# Altium PCB MARLIN.PcbDoc (part 2 of 3)
Units mil, origin at the board's own origin, x right, y up, seen from the top; angles counter-clockwise.
Board outline 6825 x 4695 mil, 2 copper layers (Top Layer, Bottom Layer); 246 components, 209 nets, 796 pads, 202 vias.
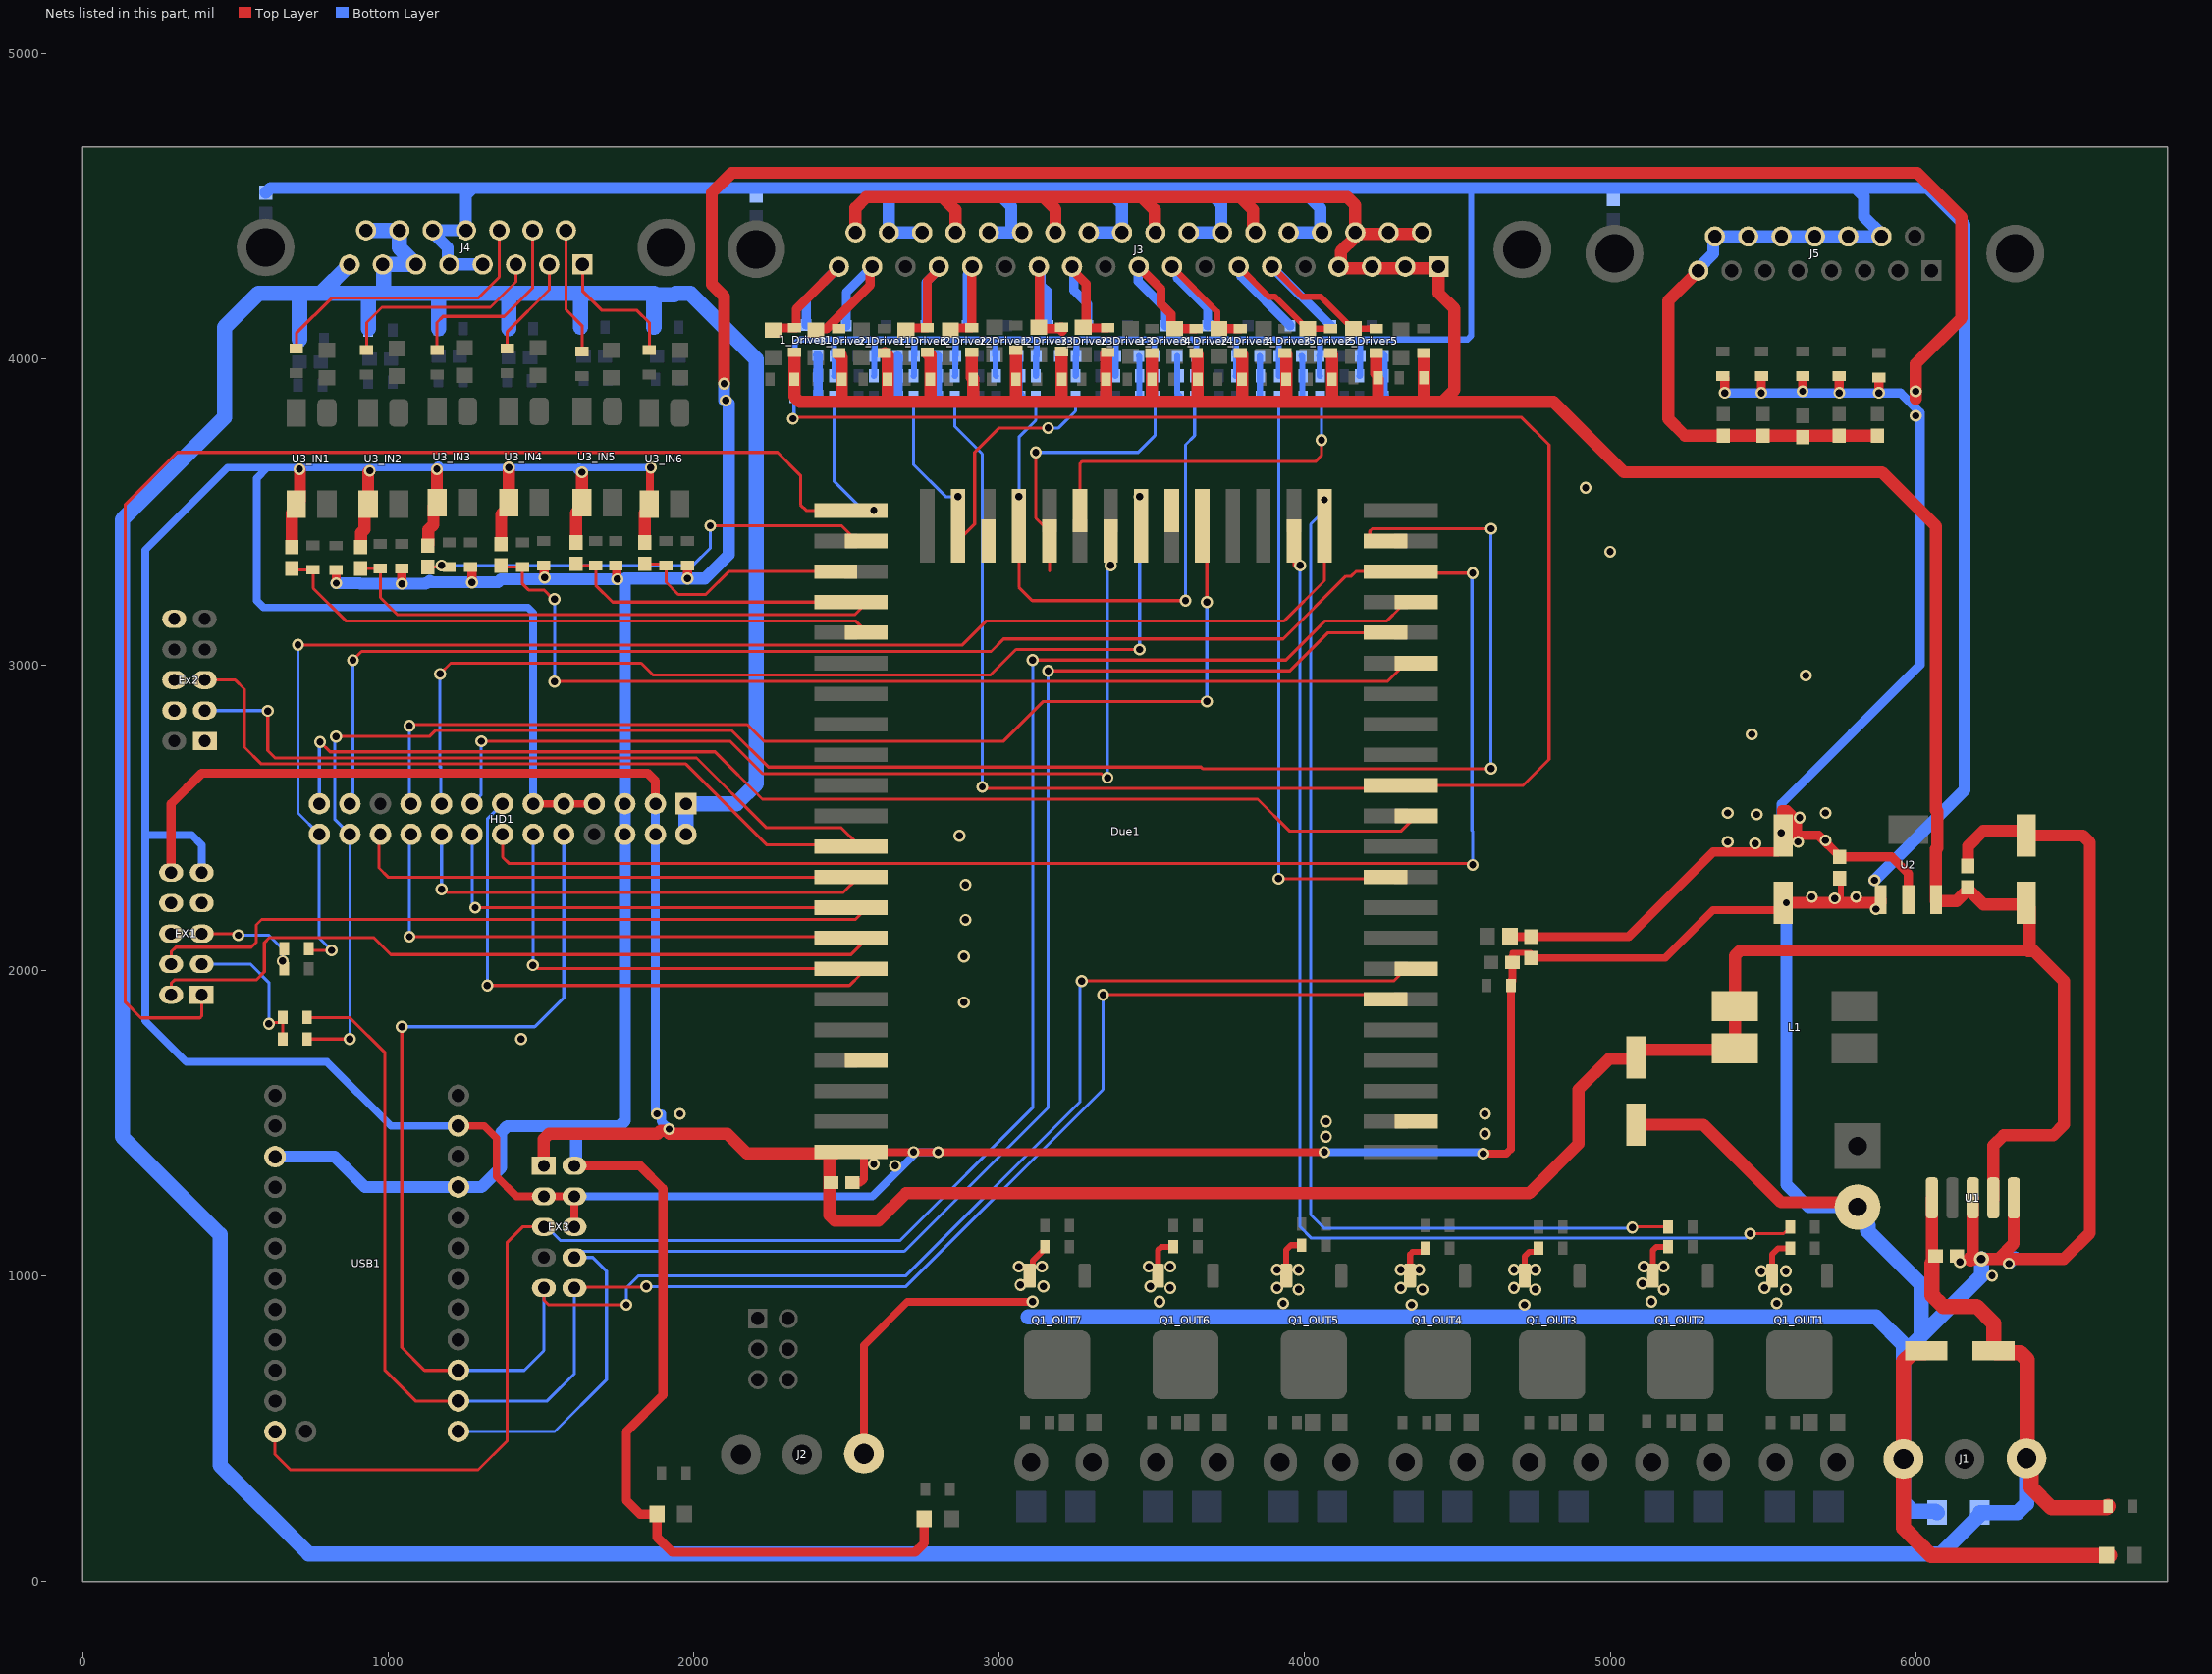
[diagram p2: the nets of this part, all layers, seen from the top]

## Part data
1_Driver1 1_Driver2 1_Driver3 1_Driver4 1_Driver5 2_Driver1 2_Driver2 2_Driver3 2_Driver4 2_Driver5 3_Driver1 3_Driver2 3_Driver3 3_Driver4 3_Driver5: "N-Channel 50V 220mA _Ta_ 360mW _Ta_ Surface Mount Die", Package="TO-236-3 Micross", Availability=Unavailable, MF="MICROSS/On Semiconductor", MP=BSS138, Price=None, SnapEDA_Link=https://www.snapeda.com/parts/BSS138/MICROSS/On%20Semiconductor/view-part/2773844/?ref=snap
C1: "WR-PHD 2.54 mm Dual Socket Header", Manufacturer="W¨¹rth Elektronik eiSos GmbH", partNo=61300621821, ComponentLink1 Description=Manufacturer, ComponentLink1URL=http://www.we-online.com, ComponentLink2 Description=Datasheet, ComponentLink2URL=http://katalog.we-online.de/em/datasheet/6130xx21821.pdf, Created by="Karrer Zheng", Created Date="29 March 2013", NoPins=06
C2 C3 C5 C11: library part CN-ALU-SMD, "Polarized Capacitor (Axial)", LatestRevisionDate=17-Jul-2002, LatestRevisionNote="Re-released for DXP Platform.", PackageReference=POLAR0.8, Published=8-Jun-2000, Publisher="Altium Limited"
C12 C14 C18 C19 C20 C21 C22: library part CN
D1 D3_OUT1 D3_OUT2 D3_OUT3 D3_OUT4 D3_OUT5 D3_OUT6 D3_OUT7: "Default Diode", Code - JEDEC=DO-214-AB, ComponentLink1Description="ES1J - STMBL", ComponentLink1URL=https://banlinhkien.vn/goods-8089-es1j-do214-diode-1a-600v-sma-es1j-.html, Published=8-Jun-2000, Publisher="Altium Limited", Revision="July-2002: Re-released for DXP Platform."
D2: library part D5A, "Diode 5A"
EX1 Ex2 EX3: library part HED5x2
HD1: "IDC 13x2"
J1 J2: Manufacturer="Würth Elektronik eiSos GmbH", partNo=691103110003, ComponentLink1 Description=Manufacturer, ComponentLink1URL=http://www.we-online.com, ComponentLink2 Description=Datasheet, ComponentLink2URL=http://katalog.we-online.de/em/datasheet/6911031100xx.pdf, Created by="Karrer Zheng", Created Date="29 October 2013", NoPins=3
J4 J5: library part DB15, "Receptacle Assembly, 15 Position, Right Angle", PackageDocument=O, DatasheetDocument=1-Sep-99, Gender=Receptacle, LatestRevisionDate=17-Jul-2002, LatestRevisionNote="Re-released for DXP Platform.", Orientation="Right Angle", PackageReference=788757, Positions=15, Published=15-Jun-2001, Publisher="Altium Limited"
J6_OUT1 J6_OUT2 J6_OUT3 J6_OUT4 J6_OUT5 J6_OUT6 J6_OUT7: Manufacturer="Würth Elektronik eiSos GmbH", partNo=691103110002, ComponentLink1 Description=Manufacturer, ComponentLink1URL=http://www.we-online.com, ComponentLink2 Description=Datasheet, ComponentLink2URL=http://katalog.we-online.de/em/datasheet/6911031100xx.pdf, Created by="Karrer Zheng", Created Date="29 October 2013", NoPins=2
L1: library part L-SMD-2, Manufacturer="Würth Elektronik eiSos GmbH", partNo=7448709022, ComponentLink1Description=Manufacturer, ComponentLink1URL=http://www.we-online.de, ComponentLink2Description=Datasheet, ComponentLink2URL=http://katalog.we-online.de/pbs/datasheet/7448709022.pdf, ComponentLink3Description=THEGIOIIC, ComponentLink3URL=https://www.thegioiic.com/products/cuon-cam-33uh-rh127-smd-12x12x7, Created by="Christin Otto", Created Date="August 2013", Inductance="2.20 µH"
LED1_Driver1 LED1_Driver2 LED1_Driver3 LED1_Driver4 LED1_Driver5 LED2 LED3 LED4_OUT1 LED4_OUT2 LED4_OUT3 LED4_OUT4 LED4_OUT5 LED4_OUT6 LED4_OUT7 LED5_IN1 LED5_IN2 LED5_IN3 LED5_IN4 LED5_IN5 LED5_IN6 LED7 LED8_Driver1 LED8_Driver2 LED8_Driver3 LED8_Driver4 LED8_Driver5 LED9_Driver1 LED9_Driver2 LED9_Driver3 LED9_Driver4 LED9_Driver5: library part "LED SMD"
Q1_OUT1 Q1_OUT2 Q1_OUT3 Q1_OUT4 Q1_OUT5 Q1_OUT6 Q1_OUT7: library part FET_N, "IPD079N06L3 - TO-252-3", Category=Transistor-FET, Mounting Technology="Surface Mount", Status=Unreleased, Transistor Type=NPN
R4 R5 R6 R7 R8 R17_IN1 R17_IN2 R17_IN3 R17_IN4 R17_IN5 R17_IN6 R18_IN1 R18_IN2 R18_IN3 R18_IN4 R18_IN5 R18_IN6 R21_IN1 R21_IN2 R21_IN3 R21_IN4 R21_IN5 R21_IN6: library part R
U1: Max Input Voltage="12 V", Max Output Current="3 (6.0 peak) A", Max Output Voltage=mV, Temperature Range="-40 to +125 degC", Category=IC-Power, ComponentLink1Description=MUA, ComponentLink1URL=https://www.thegioiic.com/products/lm2596s-5-0, Min Input Voltage=mV, Min Output Voltage=mV, Mounting Technology="Surface Mount", Status=Unreleased, Supply Voltage=mV
U2: library part LM1117, "800mA Low-Dropout Linear Regulator", Creator="Nguyen Ba Bien", Website=http://group3i.net
U3_IN1 U3_IN2 U3_IN3 U3_IN4 U3_IN5 U3_IN6: "Single Opto"
USB1: library part USB_Shield_MAX3421E
Due1: ComponentLink1Description=Buy, ComponentLink1URL=http://www.inhaos.com/product_info.php?products_id=164

## Via types
v1: diameter 39.37, hole 23.62, Top Layer to Bottom Layer, 197 vias
v2: diameter 236.22, hole 157.48, Top Layer to Bottom Layer, tented both sides, 4 vias
v3: diameter 50, hole 28, Top Layer to Bottom Layer, 1 vias

## Nets (pads, with @x,y where several pads share a name; then routed paths per layer and width w, separated by ;. In a path a pad name is that pad's centre, name@x,y a point inside that pad or via, vN(x,y) a via of type N, cw(c..) or ccw(c..) an arc to the next point about the centre after c; other vN are vias at no path point)
3.3V: C4.2 C5.1 C8.2 EX3.2 FB1.1 HD1.5 HD1.6 LED2.1 LED3.1 R4.1 R5.1 R6.1 R7.1 R8.1 R17_IN1.1 R17_IN2.1 R17_IN3.1 R17_IN4.1 R17_IN5.1 R17_IN6.1 U2.2 USB1.9 USB1.26 | length 17816.7
  Top Layer w30: R17_IN1.1@830,3310 830.31,3309.69 830.31,3267.43 v1(830.61,3267.12) ; v1(1045,3265) R17_IN2.1@1045,3315 ; R17_IN3.1@1270,3320 1275,3315 v1(1275,3269.47) ; R17_IN4.1@1510,3325 1510.42,3325 1511.17,3324.25 1511.17,3286.17 v1(1512.34,3285) ; EX3.2@1610,1360 1825,1360 1900,1285 1900,610 1780,490 1780,265 1825,220 LED3.1@1880,220 1880,145 1930,95 2725,95 2755,125 LED2.1@2755,205 ; R17_IN5.1@1745,3325 1747.46,3325 1748.21,3324.25 1748.21,3281.79 v1(1750,3280) ; v1(1980,3281.8) R17_IN6.1@1980,3325 ; FB1.1@4668.7,2118.7 4668.7,2113.7 FB1.1@4672.4,2110 C4.2@4740,2110 5060,2110 5337.44,2387.44 5549.7,2387.44 5566.2,2403.94 C5.1@5566.2,2441.34 5682.93,2441.34 5751.2,2373.07 C8.2@5751.2,2371.1 5921.2,2371.1 5976.2,2316.1 U2.2@5976.2,2231.93 ; R8.1@5369.47,3945 5375,3939.47 v1(5375,3890) ; v1(5495,3890) R7.1@5495,3945 ; v1(5630,3895) R6.1@5630,3945 ; v1(5750,3890) R5.1@5750,3945 ; v1(5880,3890) R4.1@5880,3940 ; v1(5560,2450) 5605,2450 5612.7,2457.7 5612.7,2492.3 5579.77,2525.23 5561.79,2525.23 5561.79,2451.79 v1(5560,2450)
  Top Layer w39.37: v1(2100,3920) 2100,4205 2060,4245 2060,4545 2125,4610 6005,4610 6150,4465 6150,4135 6000,3985 v1(6000,3895) 6000,3870
  Bottom Layer w30: v1(5375,3890) 5375.28,3889.72 5950.28,3889.72 6015,3825 6015,3000 5560,2545 v1(5560,2450)
  Bottom Layer w39.37: USB1.26@630,1390 825,1390 924.39,1290.61 USB1.9@1230,1290.61 1305.61,1290.61 1370,1355 1370,1470 1390,1490 1595,1490 ; v1@830.61,3266.79 907.46,3266.79 909.26,3265 910,3265 v1(1045,3265) 1122.54,3265 1125.74,3268.21 1130.67,3268.21 1136.79,3274.33 ; 1135,3270 1275,3270 1359.8,3270 1369.8,3280 1372.34,3280 1512.34,3280 1615,3280 v1(1750,3280) 1772.66,3280 1775,3282.34 ; EX3.2@1610,1360 1615,1365 1615,1470 1595,1490 ; v1@2100,3865 v1(2100,3920) ; v1(2105,3865) 2115,3855 2115,3360 2037.34,3282.34 1980,3282.34 1842.34,3282.34 1775,3282.34 ; 1595,1490 1757.43,1490 1775,1507.57 HD1.6@1775,2445 HD1.5@1775,2545 1775,3282.34
  other v1: 5475,2415 5385,2420 5615,2420 5705,2425 5620,2500 5480,2510 5385,2515 5705,2515 6000,3815
5V: C3.1 C9.2 C10.2 C11.1 Due1.45 EX1.10 EX3.1 HD1.3 HD1.4 J3.1 J3.2 J3.3 J3.4 J3.20 J3.21 J3.22 J3.25 J3.28 J3.31 J3.34 J3.37 L1.3 L1.4 R9_Driver1.1 R9_Driver2.1 R9_Driver3.1 R9_Driver4.1 R9_Driver5.1 R10_Driver1.1 R10_Driver2.1 R10_Driver3.1 R10_Driver4.1 R10_Driver5.1 R40_Driver1.1 R40_Driver2.1 R40_Driver3.1 R40_Driver4.1 R40_Driver5.1 R41_Driver1.1 R41_Driver2.1 R41_Driver3.1 R41_Driver4.1 R41_Driver5.1 R42_Driver1.1 R42_Driver2.1 R42_Driver3.1 R42_Driver4.1 R42_Driver5.1 R47_Driver1.1 R47_Driver2.1 R47_Driver3.1 R47_Driver4.1 R47_Driver5.1 U1.4 U2.3 | length 21529.8
  Top Layer w30: EX1.10@290,2320 290,2545 390,2645 1850,2645 1875,2620 HD1.3@1875,2545
  Top Layer w40: EX3.1@1510,1355 1510,1447.43 1527.57,1465 1882.07,1465 ; 1882.89,1465 1892.89,1475 v1@1920,1475 ; v1@1920,1465 2110,1465 2175,1400 Due1.45@2445,1400 ; R40_Driver1.1@2330,4017.97 R9_Driver1.1@2330,3935 2330,3877.57 2347.57,3860 2495,3860 ; Due1.45@2465,1400 2453.62,1400 2445,1391.38 2445,1305 2450,1300 2445,1295 2445,1197.57 2462.57,1180 2605,1180 2695,1270 4734.35,1270 4896.38,1432.03 4896.38,1609.81 4996.8,1710.24 5085,1710.24 5085,1723.5 5101.5,1740 5408.27,1740 L1.3@5408.27,1882.8 5408.27,2047.43 5425.84,2065 6365,2065 6367.71,2062.29 6372.71,2062.29 6372.71,2204.35 6361.2,2215.86 6221.44,2215.86 6179.82,2257.48 6177.85,2257.48 6171.2,2264.13 6134,2226.93 6066.75,2226.93 6066.75,2396.19 6071.16,2400.6 6071.16,2519.94 6066.75,2524.35 6066.75,3453.25 5890,3630 5045,3630 4815,3860 4450,3860 ; R42_Driver1.1@2475,4015 2480.91,4015 2481.65,4014.25 2481.65,4008.35 2485,4005 R47_Driver1.1@2485,3935 2485,3870 2495,3860 ; J3.37@2530,4410 2530,4495 2565,4530 2815,4530 ; R41_Driver1.1@2625.91,4020 2635,4010.91 R10_Driver1.1@2635,3935 2635,3870 2645,3860 ; R40_Driver2.1@2765,4017.97 2770.91,4017.97 2775,4013.87 R9_Driver2.1@2775,3935 2775,3865 2770,3860 ; J3.34@2856.73,4410.43 2856.73,4488.27 2815,4530 ; R42_Driver2.1@2910,4017.97 2910,3940.91 2915,3935.91 2915,3860 ; R41_Driver2.1@3055,4025 R10_Driver2.1@3055,3935 3055,3860 ; J3.31@3184.33,4410 3184.33,4490.67 3145,4530 ; R40_Driver3.1@3205,4020 R9_Driver3.1@3205,3935 3205,3860 ; R42_Driver3.1@3355,4017.97 3350.75,4017.97 3350,4017.22 R47_Driver3.1@3350,3935 3350,3865 3345,3860 ; R41_Driver3.1@3500,4015 3500,3930 3500.75,3929.25 3500.75,3864.25 3505,3860 ; J3.28@3509.16,4412.34 3509.16,4488.27 3467.43,4530 ; R40_Driver4.1@3645,4015 3649.25,4015 3650,4014.25 R9_Driver4.1@3650,3935 3650,3865 3645,3860 ; R42_Driver4.1@3790,4015 3794.25,4015 3795,4014.25 R47_Driver4.1@3795,3935 3795,3860 ; J3.25@3838.66,4410 3831.73,4416.93 3831.73,4488.27 3799.99,4520.01 3790,4530 ; R41_Driver4.1@3935,4015 3939.25,4015 3940,4014.25 R10_Driver4.1@3940,3935 3940,3865 3945,3860 ; R40_Driver5.1@4085,4015 4089.25,4015 4090,4014.25 R9_Driver5.1@4090,3935 4090,3875 4105,3860 ; R47_Driver5.1@4235,3954.25 R42_Driver5.1@4235,4015 ; R47_Driver5.1@4240,3935 4240,3865 4235,3860 ; J3.20@4383.94,4410 4274.88,4410 J3.22@4165.83,4410 ; R41_Driver5.1@4390,4015 R10_Driver5.1@4390,3940 4390,3870 4380,3860 ; U1.4@6253.86,1250 6253.86,1426.14 6287.72,1460 6450,1460 6485,1495 6485,1965 6372.71,2077.29 ; 2495,3860 2645,3860 ; 2645,3860 2770,3860 ; 2770,3860 2915,3860 ; 2815,4530 3145,4530 ; 2915,3860 3055,3860 ; 3055,3860 3205,3860 ; 3145,4530 3467.43,4530 ; 3205,3860 3345,3860 ; 3345,3860 3505,3860 ; 3467.43,4530 3790,4530 ; 3505,3860 3645,3860 ; 3645,3860 3795,3860 ; 3790,4530 4140,4530 4165.83,4504.17 J3.22@4165.83,4410 ; 3795,3860 3945,3860 ; 3945,3860 4090,3860 4105,3860 ; 4105,3860 4235,3860 ; J3.22@4165.83,4410 4165.83,4400.11 4118.29,4352.58 4118.29,4305.18 4111.3,4298.19 4220.35,4298.19 4329.41,4298.19 4438.46,4298.19 4438.46,4216.54 4490,4165 4490,3900 4450,3860 ; 4235,3860 4380,3860 ; 4380,3860 4450,3860
  Bottom Layer w30: HD1.3@1875,2545 1875,1537.53 1880,1532.54 v1(1880,1530) ; v1@1895,1530 1895,1505 v1(1920,1480)
  other v1: 1955,1530
+5USB: Due1.4
+12: C2.1 C6.2 D1.2 HD1.1 HD1.2 J1.3 J4.6 J4.7 J4.8 J4.14 J4.15 R19_IN1.1 R19_IN2.1 R19_IN3.1 R19_IN4.1 R19_IN5.1 R19_IN6.1 R39.1 U1.1 | length 16644.2
  Top Layer w39.37: 6053.07,1039.96 U1.1@6053.07,1255
  Top Layer w50: 6053.07,1039.96 6053.07,936.93 6075.05,914.95 6090,900 6200,900 6255.24,844.76 C2.1@6255.24,755 6261.73,748.5 6342.21,748.5 6365,725.71 6365,405 J1.3@6362.62,402.62 6377.93,387.31 6377.93,307.07 6445,240 6625,240 R39.1@6630,245
  Bottom Layer w50: R19_IN1.1@710,4065 710,4210.9 715,4215.9 ; J4.8@873.78,4309.88 779.79,4215.9 ; J4.15@927.83,4421.89 J4.14@1036.89,4421.89 1036.89,4364.6 J4.6@1091.42,4310.08 988.69,4310.08 985.53,4306.91 985.53,4215.9 ; R19_IN2.1@935,4100 935,4215.9 ; R19_IN3.1@1165,4100 1165,4215.9 ; R19_IN4.1@1395,4100 1395,4215.9 ; R19_IN5.1@1630,4105 1630,4210.9 ; R19_IN6.1@1870,4105 1870,4210.9 ; HD1.2@1975,2445 HD1.1@1975,2545 2140,2545 2205,2610 2205,4000 1989.1,4215.9 1941.6,4215.9 1936.6,4210.9 1870,4210.9 ; J1.3@6362.62,402.62 6362.62,254.29 6333.33,225 D1.2@6210,225 6210,217.5 6082.5,90 740,90 450,380 450,1135 130,1455 130,3475 465,3810 465,4105 575.9,4215.9 715,4215.9 ; 715,4215.9 779.79,4215.9 ; 779.79,4215.9 935,4215.9 ; 935,4215.9 985.53,4215.9 ; 985.53,4215.9 1165,4215.9 ; 1165,4215.9 1395,4215.9 ; 1395,4215.9 1870,4215.9 1870,4210.9
A5_CS_SD: Due1.35 EX3.8 USB1.1 | length 5376.5
  Top Layer w10: v1(3160,2980) 3952.07,2980 4077.07,3105 Due1.35@4265,3105
  Bottom Layer w10: USB1.1@1230,490.61 1545.61,490.61 1715,660 1715,1015 1670,1060 EX3.8@1610,1060 1610,1065 1625,1080 2690,1080 3160,1550 v1(3160,2980)
A6_SD_Detect: Due1.38 EX3.5 USB1.17 | length 6284.4
  Top Layer w10: USB1.17@630,490 630,415 680,365 1295,365 1390,460 1390,1110 1440,1160 EX3.5@1510,1160 ; v1(3110,3015.31) 3938.6,3015.31 4066.91,3143.62 4269.32,3143.62 4310.61,3184.9 4310.61,3186.47 4329.13,3205 Due1.38@4365,3205
  Bottom Layer w10: EX3.5@1510,1160 1519.84,1160 1564.84,1115 2675,1115 3110,1550 v1(3110,3015.31)
A8_CS_LCD: Due1.62 EX1.4 | length 2410.5
  Top Layer w10: EX1.4@290,2020 290,2060 305.47,2075.47 552.19,2075.47 568.36,2091.64 568.36,2148.36 586.38,2166.38 2530.12,2166.38 2565,2201.26 Due1.62@2565,2205
A10_BTN_LCD: Due1.60 EX1.2 | length 2477.3
  Top Layer w10: EX1.2@290,1920 290,1957.49 300.86,1968.35 568.35,1968.35 595,1995 595,2090 611.65,2106.65 953.35,2106.65 1008.74,2051.26 2515,2051.26 2565,2101.26 Due1.60@2565,2105
CS_SD_LCD: Ex2.4
CS_TC0: Due1.57 HD1.12 | length 1424.4
  Top Layer w10: v1(1474.14,2016.57) 1479.28,2016.57 1490.86,2005 Due1.57@2465,2005
  Bottom Layer w10: v1(1474.14,2016.57) 1474.14,2020.86 1474.57,2021.29 1474.57,2444.57 HD1.12@1475,2445
CS_TC1: Due1.58 HD1.13 | length 1880.7
  Top Layer w10: v1(1325,1950) 2510,1950 2546.38,1986.38 2550.12,1986.38 2565,2001.26 Due1.58@2565,2005
  Bottom Layer w10: v1(1325,1950) 1325,2495 HD1.13@1375,2545
CS_TC2: Due1.101 HD1.15 | length 3095.4
  Top Layer w10: v1(1305,2749.69) 2120.31,2749.69 2226.38,2643.62 3334.46,2643.62 3347.76,2630.31 v1(3355,2630.31) ; v1@3365,3325.43 Due1.101@3365,3405
  Bottom Layer w10: HD1.15@1275,2545 1305,2575 v1(1305,2749.69) ; v1(3355,2630.31) 3355,3315.43 v1@3365,3325.43
  other v1: 3365,3325
CS_TC3: Due1.104 HD1.17 | length 3294.7
  Top Layer w10: v1(1170,2970) 1205,3005 1828.74,3005 1867.36,2966.38 2550,2966.38 2971.69,2966.38 3055.31,3050 v1(3460,3050)
  Bottom Layer w10: 1170,2665 1172.5,2667.5 1172.5,2547.5 HD1.17@1175,2545 ; 1170,2667.5 v1(1170,2970) ; v1(3460,3050) 3460,3490 v1@3460,3560
  other v1: 3460,3550
D66: Due1.64 HD1.18 | length 1594.9
  Top Layer w10: v1(1175,2265) 1182.95,2265 1192.95,2255 2490,2255 2535.98,2300.98 2560.98,2300.98 Due1.64@2565,2305
  Bottom Layer w10: v1(1175,2265) HD1.18@1175,2445
D67: Due1.61 HD1.16 | length 1424.1
  Top Layer w10: v1(1285,2205) Due1.61@2465,2205
  Bottom Layer w10: HD1.16@1275,2445 1275,2220.86 1285,2210.86 v1(1285,2205)
D68: Due1.40 HD1.14 | length 4404.5
  Top Layer w10: HD1.14@1375,2445 1375,2370 1395,2350 4545,2350 v1(4550,2345) ; Due1.40@4365,3305 4370,3300 v1(4550,3300)
  Bottom Layer w10: v1(4550,2345) 4550,2455 4547.5,2457.5 4547.5,3297.5 v1(4550,3300)
D69: Due1.39 HD1.23 | length 3974.3
  Top Layer w10: v1(885,3015) 913.62,3043.62 2973.62,3043.62 3014.69,3084.69 3929.69,3084.69 4134.99,3289.99 4152.75,3289.99 4167.76,3305 Due1.39@4265,3305
  Bottom Layer w10: HD1.23@875,2545 885,2555 v1(885,3015)
D70: Due1.24 HD1.25 | length 3934.5
  Top Layer w10: v1(777.5,2747.5) 810,2715 2070,2715 2225,2560 3846.38,2560 3951.38,2455 4315,2455 4346.38,2486.38 4349.13,2486.38 4365,2502.24 Due1.24@4365,2505
  Bottom Layer w10: HD1.25@775,2545 775,2745 v1(777.5,2747.5)
"DEBUG LED": Due1.52
DIR1: Due1.88 R38_Driver1.1 | length 444.4
  Bottom Layer w10: R38_Driver1.1@2460,3875 2460,3600 2555,3505 v1(2590,3505)
DIR2: Due1.25 R38_Driver2.1 | length 2638
  Top Layer w10: v1(2945,2600) 2949.37,2595.63 4255.63,2595.63 Due1.25@4265,2605
  Bottom Layer w10: R38_Driver2.1@2855,3875 2855,3780 2945,3690 v1(2945,2600)
DIR3: Due1.91 R38_Driver3.1 | length 745
  Top Layer w10: Due1.91@2865,3405 2867.76,3405 2883.62,3420.87 2883.62,3423.62 2920,3460 2920,3695 3000,3775 v1(3160,3775)
  Bottom Layer w10: v1(3160,3775) 3194.47,3775 3250,3830.53 R38_Driver3.1@3250,3875
DIR4: Due1.95 R38_Driver4.1 | length 1392
  Top Layer w10: Due1.95@3065,3405 3065,3253.44 3108.44,3210 v1(3610,3210)
  Bottom Layer w10: v1(3610,3210) 3610,3720 3640,3750 R38_Driver4.1@3640,3875
DIR5: Due1.100 R38_Driver5.1 | length 1146.9
  Top Layer w10: Due1.100@3265,3505 3265,3659.14 3270.86,3665 4035,3665 4055,3685 v1(4055,3735)
  Bottom Layer w10: R38_Driver5.1@4050,3875 4055,3870 v1(4055,3735)
DIR6: Due1.93
DIR7: Due1.108
DIR_OUT1: 3_Driver1.D J3.18 LED9_Driver1.2 R42_Driver1.2 | length 531.2
  Top Layer w30: LED9_Driver1.2@2400,4095 2404.25,4099.25 2434.25,4099.25 2577.54,4242.54 2577.54,4296.2 J3.18@2584.53,4303.19
  Bottom Layer w30: 3_Driver1.D@2500,4109.21 2500,4218.66 J3.18@2584.53,4303.19
DIR_OUT2: 3_Driver2.D J3.15 LED9_Driver2.2 R42_Driver2.2 | length 475.2
  Top Layer w30: LED9_Driver2.2@2840,4095 2847.22,4102.22 2909.25,4102.22 R42_Driver2.2@2910,4102.97 2910.1,4102.97 2910.85,4103.72 2910.85,4302.34 J3.15@2911.69,4303.19
  Bottom Layer w30: 3_Driver2.D@2895,4109.21 2895,4276.61 2911.69,4293.3 J3.15@2911.69,4303.19
DIR_OUT3: 3_Driver3.D J3.12 LED9_Driver3.2 R42_Driver3.2 | length 519.4
  Top Layer w30: J3.12@3238.86,4303.19 3234.43,4298.76 3234.43,4297.73 3285,4247.16 3285,4095 3292.22,4102.22 3354.25,4102.22 R42_Driver3.2@3355,4102.97
  Bottom Layer w30: J3.12@3238.86,4303.19 3245.08,4296.97 3245.08,4224.92 3290,4180 3_Driver3.D@3290,4109.21
DIR_OUT4: 3_Driver4.D J3.9 LED9_Driver4.2 R42_Driver4.2 | length 580.8
  Top Layer w20: J3.9@3565.51,4302.68 J3.9@3566.02,4303.19 3714.21,4155 3714.21,4105.79 LED9_Driver4.2@3720,4100
  Top Layer w30: LED9_Driver4.2@3720,4100 R42_Driver4.2@3790,4100
  Bottom Layer w30: J3.9@3566.02,4303.19 3566.02,4293.3 3583.6,4275.73 3583.6,4265 3585,4265 3682.6,4167.4 3_Driver4.D@3682.6,4109.21
DIR_OUT5: 3_Driver5.D J3.6 LED9_Driver5.2 R42_Driver5.2 | length 699.4
  Top Layer w20: J3.6@3893.19,4303.19 3991.73,4204.64 4052.86,4204.64 4157.5,4100 LED9_Driver5.2@4160,4100 R42_Driver5.2@4235,4100
  Bottom Layer w30: J3.6@3893.19,4303.19 3893.19,4302.01 4085,4110.2 3_Driver5.D@4085,4109.21
EN1: Due1.26 R36_Driver1.1 | length 4095.9
  Top Layer w10: v1(2325,3805) 2329.69,3809.69 4710.31,3809.69 4800,3720 4800,2690 4715,2605 Due1.26@4365,2605
  Bottom Layer w10: v1(2325,3805) 2328.64,3801.36 R36_Driver1.1@2328.64,3877.8
EN2: Due1.92 R36_Driver2.1 | length 408.5
  Bottom Layer w10: R36_Driver2.1@2720,3875 2720,3655 2825,3550 v1(2865,3550)
EN3: Due1.96 R36_Driver3.1 | length 347.8
  Bottom Layer w10: v1(3065,3550) 3065,3745 3120,3800 R36_Driver3.1@3120,3875
EN4: Due1.97 R36_Driver4.1 | length 943.7
  Top Layer w10: v1(3120,3695) 3120,3480 3165,3435 Due1.97@3165,3405 3165,3307.76
  Bottom Layer w10: v1(3120,3695) 3455,3695 3510,3750 R36_Driver4.1@3510,3875
EN5: Due1.19 R36_Driver5.1 | length 1931.2
  Top Layer w10: v1(3915,2300) 4250,2300 4260,2310 Due1.19@4265,2305
  Bottom Layer w10: v1(3915,2300) R36_Driver5.1@3915,3875
EN6: Due1.107 HD1.19 | length 3480.6
  Top Layer w10: v1(1070,2800) 1074.37,2804.37 2175.63,2804.37 2230,2750 3015,2750 3145,2880 v1(3680,2880) ; Due1.107@3665,3405 3660,3400 3680,3380 v1(3680,3205)
  Bottom Layer w10: v1(1070,2800) 1070,2550 HD1.19@1075,2545 ; v1(3680,2880) v1(3680,3205)
EN7: Due1.106
EN_OUT1: 1_Driver1.D J3.19 LED1_Driver1.2 R40_Driver1.2 | length 572.3
  Top Layer w30: LED1_Driver1.2@2260,4095 2267.22,4102.22 2329.25,4102.22 R40_Driver1.2@2330,4102.97 2335.25,4102.97 2336,4103.72 2336,4163.72 J3.19@2475.47,4303.19
  Bottom Layer w30: 1_Driver1.D@2368.64,4112.01 2368.64,4196.35 J3.19@2475.47,4303.19
EN_OUT2: 1_Driver2.D J3.16 LED1_Driver2.2 R40_Driver2.2 | length 509.7
  Top Layer w20: J3.16@2796.32,4296.87 J3.16@2802.64,4303.19
  Top Layer w30: LED1_Driver2.2@2695,4095 2702.22,4102.22 2764.25,4102.22 R40_Driver2.2@2765,4102.97 2765,4255.66 2802.64,4293.3 J3.16@2802.64,4303.19
  Bottom Layer w30: 1_Driver2.D@2760,4109.21 2760,4250.66 2802.64,4293.3 J3.16@2802.64,4303.19
EN_OUT3: 1_Driver3.D J3.13 LED1_Driver3.2 R40_Driver3.2 | length 488.6
  Top Layer w30: J3.13@3129.8,4303.19 3127.4,4300.79 3132.4,4295.79 3132.4,4102.6 3135,4100 3194.09,4100 3199.09,4105 R40_Driver3.2@3205,4105 ; R40_Driver3.2@3205,4092.03 3206.65,4092.03 R40_Driver3.2@3207.4,4092.78
  Bottom Layer w30: J3.13@3129.8,4303.19 3136.79,4296.2 3136.79,4243.21 3160,4220 1_Driver3.D@3160,4109.21
EN_OUT4: 1_Driver4.D J3.10 LED1_Driver4.2 R40_Driver4.2 | length 557
  Top Layer w30: J3.10@3455.98,4302.2 J3.10@3456.97,4303.19 3530,4230.16 3530,4180 3562.5,4147.5 3562.5,4110 3572.5,4100 LED1_Driver4.2@3575,4100 R40_Driver4.2@3645,4100
  Bottom Layer w30: J3.10@3456.97,4303.19 3455,4301.22 3455,4255 3545,4165 1_Driver4.D@3545,4109.21
EN_OUT5: 1_Driver5.D J3.7 LED1_Driver5.2 R40_Driver5.2 | length 652.5
  Top Layer w20: J3.7@3781.54,4300.6 J3.7@3784.13,4303.19 3882.68,4204.64 3902.86,4204.64 4007.5,4100 LED1_Driver5.2@4010,4100 R40_Driver5.2@4085,4100
  Bottom Layer w30: J3.7@3784.13,4303.19 3791.12,4296.2 3791.12,4271.67 3952.6,4110.2 1_Driver5.D@3952.6,4109.21
ENC_EN1: Due1.65 Ex2.5 | length 2402
  Top Layer w10: Ex2.5@400,2950 500,2950 530,2920 530,2730 585,2675 1975,2675 2240,2410 2460,2410 Due1.65@2465,2405
ENC_EN2: Due1.66 Ex2.3 | length 2425.5
  Top Layer w10: v1(606.25,2848.75) 606.25,2718.75 630,2695 2010,2695 2238.62,2466.38 2483.62,2466.38 2535.98,2414.02 2555.98,2414.02 Due1.66@2565,2405
  Bottom Layer w10: Ex2.3@400,2850 605,2850 v1(606.25,2848.75)
FAN1: Due1.113 R34_OUT1.1 | length 3900.5
  Top Layer w10: Due1.113@3965,3405 3965,3325 v1(3985,3325) ; v1(5457.78,1137.78) 5567.78,1137.78 R34_OUT1.1@5590,1160
  Bottom Layer w10: v1(3985,3325) 3985,1160.31 4022.34,1122.97 5442.97,1122.97 v1(5457.78,1137.78)
FAN2: Due1.116 R34_OUT2.1 | length 3579.1
  Top Layer w10: Due1.116@4065,3505 Due1.116@4065,3535 ; v1(5072.66,1157.66) 5075,1160 R34_OUT2.1@5190,1160
  Bottom Layer w10: v1(4065,3540) 4065,3505 4020,3460 4020,1200 4064.69,1155.31 5070.31,1155.31 v1(5072.66,1157.66)
GND: 1_Driver1.S 1_Driver2.S 1_Driver3.S 1_Driver4.S 1_Driver5.S 2_Driver1.S 2_Driver2.S 2_Driver3.S 2_Driver4.S 2_Driver5.S 3_Driver1.S 3_Driver2.S 3_Driver3.S 3_Driver4.S 3_Driver5.S 100nF.1 C2.2 C3.2 C4.1 C5.2 C6.1 C7.1 C8.1 C9.1 C10.1 C11.2 C12.1 C13.2 C14.1 C18.1 C19.1 C20.1 C21.1 C22.1 D1.1 D2.1 Due1.46 EX1.9 EX3.3 EX3.4 EX3.6 HD1.7 HD1.9 HD1.11 J1.1 J2.3 J3.23 J3.24 J3.26 J3.27 J3.29 J3.30 J3.32 J3.33 J3.35 J3.36 J4.4 J4.5 J4.12 J4.13 J5.8 J5.10 J5.11 J5.12 J5.13 J5.14 J5.15 LED7.2 Q1_OUT1.3 Q1_OUT2.3 Q1_OUT3.3 Q1_OUT4.3 Q1_OUT5.3 Q1_OUT6.3 Q1_OUT7.3 R1.2 R30_Driver1.2 R30_Driver2.2 R30_Driver3.2 R30_Driver4.2 R30_Driver5.2 R31_Driver1.2 R31_Driver2.2 R31_Driver3.2 R31_Driver4.2 R31_Driver5.2 R32_Driver1.2 R32_Driver2.2 R32_Driver3.2 R32_Driver4.2 R32_Driver5.2 R35_OUT1.1 R35_OUT2.1 R35_OUT3.1 R35_OUT4.1 R35_OUT5.1 R35_OUT6.1 R35_OUT7.1 U1.3 U1.5 U2.1 U3_IN1.3 U3_IN2.3 U3_IN3.3 U3_IN4.3 U3_IN5.3 U3_IN6.3 USB1.11 | length 43477.9
  Top Layer w19.68: Q1_OUT7.3@3100,1000 3109.84,1009.84 3109.84,1048.94 3150,1089.09 R35_OUT7.1@3150,1095 ; Q1_OUT6.3@3520.04,1000 3520.04,1083.47 3531.57,1095 R35_OUT6.1@3570,1095 ; Q1_OUT5.3@3940.04,1000 3940.04,1085.04 3955,1100 R35_OUT5.1@3990,1100 ; Q1_OUT4.3@4345.04,1000 4345.04,1069.96 4353.27,1078.19 4389.09,1078.19 4395,1084.09 R35_OUT4.1@4395,1090 ; Q1_OUT3.3@4720.04,1000 4720.04,1063.43 4734.8,1078.19 4759.09,1078.19 4765,1084.09 R35_OUT3.1@4765,1090 ; Q1_OUT2.3@5140.08,1000 5140,1000.08 5140,1083.47 5151.53,1095 R35_OUT2.1@5190,1095 ; Q1_OUT1.3@5530.04,1000 5530.04,1070.04 5550,1090 R35_OUT1.1@5590,1090 ; C8.1@5751.2,2301.1 5755,2297.3 5755,2220.86
  Top Layer w20: 4680,2056.65 C4.1@4740,2056.65
  Top Layer w25: EX1.9@390,2320 EX1.9@399.84,2320 ; USB1.11@1221.22,1499.39 USB1.11@1230,1490.61 1314.39,1490.61 1355,1450 1355,1325 1420,1260 EX3.3@1510,1260 EX3.4@1610,1260 EX3.6@1610,1160 ; HD1.11@1475,2545 HD1.7@1675,2545 ; U3_IN6.3@1855,3511.5 1857.5,3514 1857.5,3642.5 v1(1860,3645) ; 2545,1305 2550,1310 2551.97,1310 2556.12,1314.15 2556.12,1316.12 2557.62,1317.62 2557.62,1397.62 Due1.46@2565,1405 2565.06,1404.94 v1(2800.41,1404.88) ; J2.3@2557.62,417.62 2557.62,772.62 2700,915 v1(3110,915) ; v1@2720,1404.94 v1(2800.41,1404.88) ; v1(4065.06,1404.94) v1(2800.41,1404.88) ; v1(4585,1400) 4660.36,1400 4675,1414.64 R1.2@4675,1965 ; R1.2@4680,1965 C7.1@4680,2025 C7.1@4680,2045 ; C4.1@4740,2040 5180,2040 5336.81,2196.81 C5.2@5566.2,2196.81
  Top Layer w39.37: 100nF.1@685,3385 685,3496.5 700,3511.5 U3_IN1.3@700,3525 711.81,3536.81 711.81,3638.19 v1(710,3640) ; 100nF.1@910,3385 911.97,3386.97 911.97,3431.97 923.19,3443.19 923.19,3513.19 U3_IN2.3@935,3525 935,3630 v1(940,3635) ; 100nF.1@1130,3390 1131.97,3391.97 1131.97,3441.97 1148.19,3458.19 1148.19,3518.19 U3_IN3.3@1160,3530 v1(1160,3640) ; 100nF.1@1370,3395 1370,3491.5 1395,3516.5 U3_IN4.3@1395,3530 v1(1395,3645) ; 100nF.1@1615,3400 1615,3496.5 1635,3516.5 U3_IN5.3@1635,3530 v1(1635,3630) ; 100nF.1@1840,3400 1840,3496.5 U3_IN6.3@1855,3511.5 ; C11.2@5085,1494.76 5305.24,1494.76 5559.58,1240.42 5794.58,1240.42 D2.1@5810,1225 ; J5.8@5288.78,4289.88 5190,4191.1 5190,3805 5245,3750 C22.1@5370,3750 C21.1@5500,3750 C19.1@5750,3750 C18.1@5875,3750 ; C5.2@5566.2,2196.81 C5.2@5566.2,2220.86 v1(5576.79,2220.86) 5755,2220.86 5885.65,2220.86 U2.1@5885.65,2231.93 ; C9.1@6171.2,2341.1 6171.2,2406.1 6221.2,2456.1 6349.39,2456.1 6361.2,2444.29 C3.2@6361.2,2441.34 6546.94,2441.34 6570,2418.27 6570,1140 6485,1055 6270,1055 ; 6180,1055 v3(6215,1055) 6270,1055 ; 6186.93,1061.93 U1.3@6186.93,1255 ; U1.5@6320.79,1255 6320.79,1105.79 6270,1055
  Top Layer w50: C2.2@6034.76,755 6028.27,748.5 5989.29,748.5 5960,719.21 J1.1@5960,400 5960,175 6025.05,109.95 6050,85 LED7.2@6625,85 LED7.2@6635,85 ; 6180,1055 6186.93,1061.93
  Bottom Layer w20: R30_Driver1.2@2328.64,3947.8 2329.84,3949 2329.84,4012.39 1_Driver1.S@2331.04,4013.59 2331.04,4051.04 2345,4065 2460,4065 ; R32_Driver1.2@2460,3945 2461.2,3946.2 2461.2,4009.59 3_Driver1.S@2462.4,4010.79 2460,4013.19 2460,4065 ; R31_Driver1.2@2590,3945 2591.2,3946.2 2591.2,4009.59 2_Driver1.S@2592.4,4010.79 2592.4,4062.4 2595,4065 ; R30_Driver2.2@2720,3945 2721.2,3946.2 2721.2,4009.59 1_Driver2.S@2722.4,4010.79 2722.4,4062.4 2725,4065 ; R32_Driver2.2@2855,3945 2856.2,3946.2 2856.2,4009.59 3_Driver2.S@2857.4,4010.79 2857.4,4062.6 2855,4065 ; R31_Driver2.2@2990,3945 2988.7,3946.3 2988.7,4009.49 2_Driver2.S@2987.4,4010.79 2987.4,4062.6 2985,4065 ; R30_Driver3.2@3120,3945 3121.2,3946.2 3121.2,4009.59 1_Driver3.S@3122.4,4010.79 3122.4,4062.6 3120,4065 ; R32_Driver3.2@3250,3945 3251.2,3946.2 3251.2,4009.59 3_Driver3.S@3252.4,4010.79 3252.4,4062.6 3250,4065 ; R31_Driver3.2@3380,3945 3381.2,3946.2 3381.2,4009.59 2_Driver3.S@3382.4,4010.79 3382.4,4057.4 3390,4065 ; R30_Driver4.2@3510,3945 3508.7,3946.3 3508.7,4009.49 1_Driver4.S@3507.4,4010.79 3507.4,4057.4 3515,4065 ; R32_Driver4.2@3640,3945 3642.5,3947.5 3642.5,4008.29 3_Driver4.S@3645,4010.79 3645,4055 3635,4065 ; R31_Driver4.2@3775,3945 3776.2,3946.2 3776.2,4009.59 2_Driver4.S@3777.4,4010.79 3775,4013.19 3775,4065 ; R30_Driver5.2@3915,3945 1_Driver5.S@3915,4010.79 3915,4065 ; 3_Driver5.S@4047.4,4010.79 4048.7,4009.49 4048.7,3946.3 R32_Driver5.2@4050,3945 ; 3_Driver5.S@4050,4010.79 4050,4065 ; R31_Driver5.2@4180,3945 4181.2,3946.2 4181.2,4009.59 2_Driver5.S@4182.4,4010.79 4182.4,4052.6 4170,4065 ; 4545,4560 4545,4076.72 4533.28,4065 4170,4065 ; 2460,4065 2595,4065 ; 2595,4065 2725,4065 ; 2725,4065 2855,4065 ; 2855,4065 2985,4065 ; 2985,4065 3120,4065 ; 3120,4065 3250,4065 ; 3250,4065 3390,4065 ; 3390,4065 3515,4065 ; 3515,4065 3635,4065 ; 3635,4065 3775,4065 ; 3775,4065 3915,4065 ; 3915,4065 4050,4065 ; 4050,4065 4170,4065
  Bottom Layer w25: EX1.9@386.12,2331.12 390,2335 390,2410 357.05,2442.95 205,2442.95 ; USB1.11@1230,1490.61 1009.39,1490.61 800,1700 340,1700 205,1835 205,2442.95 ; HD1.11@1475,2545 1475,3170 1457.5,3187.5 592.5,3187.5 570,3210 570,3610 605,3645 ; EX3.4@1610,1260 2585,1260 2729.88,1404.88 v1(2800.41,1404.88) ; v1@1625,3645 v1(1395,3645) 1165,3645 605,3645 ; v1@1635,3645 v1(1860,3645) ; v1(4065.06,1404.94) 4580.06,1404.94 v1(4585,1400) ; 205,2442.95 205,3375 475,3645 605,3645
  Bottom Layer w39.37: C13.2@600,4545 600,4546.97 601.97,4548.94 603.94,4548.94 615,4560 1278.06,4560 ; v1(1160,3640) v1@1165,3645 ; J4.4@1309.53,4310.08 J4.5@1200.47,4310.08 1195.27,4315.28 1195.27,4365.21 1145.94,4414.54 J4.13@1145.94,4421.89 J4.12@1255,4421.89 1255,4536.94 1278.06,4560 ; v1@1625,3640 v1(1635,3630) ; J3.35@2748.11,4415 J3.36@2639.05,4415 2639.05,4549.06 2650,4560 ; J3.33@2966.22,4415 3040,4415 3040,4500 2980,4560 ; J3.30@3293.39,4415 J3.29@3402.44,4415 3402.44,4507.56 3350,4560 ; J3.27@3620.55,4415 J3.26@3729.61,4415 3727.68,4416.93 3727.68,4507.32 3675,4560 ; J3.24@3947.72,4415 J3.23@4056.77,4415 4051.57,4420.2 4051.57,4493.43 3985,4560 ; J5.8@5288.78,4289.88 5288.78,4297.23 5337.64,4346.09 5337.64,4396.69 J5.15@5342.83,4401.89 J5.14@5451.89,4401.89 J5.13@5560.94,4401.89 J5.12@5670,4401.89 J5.11@5779.05,4401.89 J5.10@5888.11,4401.89 5888.11,4409.24 5830.89,4466.46 5830.89,4532.16 5803.05,4560 ; v1(5576.79,2220.86) 5576.79,1298.21 5650,1225 D2.1@5810,1225 ; v1(5865,2295) 6160,2590 6160,4440 6040,4560 5803.05,4560 ; v1(6305,1040) 6325.91,1060.91 ; 1278.06,4560 2650,4560 ; 2650,4560 2980,4560 ; 2980,4560 3350,4560 ; 3350,4560 3675,4560 ; 3675,4560 3985,4560 ; 3985,4560 4545,4560 5803.05,4560
  Bottom Layer w50: 3095,865 5870.71,865 5960,775.71 5960,745 ; D2.1@5805.44,1202.5 5843.57,1164.37 5843.57,1146.43 6017.5,972.5 6017.5,802.5 ; D1.1@6070,225 6065,230 5989.29,230 5960,259.29 J1.1@5960,400 5960,745 ; v3(6215,1055) 6215,1000 6017.5,802.5 ; 5960,745 6017.5,802.5
  other v1: 4350,905 4720,905 3930,910 5545,910 3525,915 5135,915 3980,955 4385,955 4755,955 5175,955 5575,955 3560,960 3910,960 4315,960 4685,960 5505,960 3145,965 3495,965 3070,970 5105,975 6250,1000 5495,1015 5575,1015 3910,1020 3980,1020 4315,1020 4375,1020 4685,1020 4755,1020 3065,1030 3140,1030 3490,1030 3560,1030 5110,1030 5175,1030 6145,1045 2660,1360 2590,1365 2720,1405 4070,1455 4590,1465 4070,1505 4590,1530 1435,1775 2885,1895 2885,2045 2890,2165 5870,2200 5735,2235 5660,2240 5805,2240 2890,2280 2870,2440 5463.46,2771.99 5640,2965 5000,3370 4919.73,3579
IN1: J4.11 R21_IN1.1 | length 943.1
  Top Layer w10: R21_IN1.1@700,4035 700,4085 815,4200 1295,4200 1364.05,4269.05 J4.11@1364.05,4421.89
IN2: J4.3 R21_IN2.1 | length 690.4
  Top Layer w10: R21_IN2.1@930,4030 930,4120 980,4170 1335,4170 1418.58,4253.58 J4.3@1418.58,4310.08
IN3: J4.10 R21_IN3.1 | length 638.7
  Top Layer w10: R21_IN3.1@1160,4030 1160,4120 1180,4140 1380,4140 1473.11,4233.11 J4.10@1473.11,4421.89
IN4: J4.2 R21_IN4.1 | length 338.4
  Top Layer w10: R21_IN4.1@1390,4035 1390,4090 1527.64,4227.64 1527.64,4294.8 1520,4302.44 J4.2@1527.64,4310.08
IN5: J4.9 R21_IN5.1 | length 418.8
  Top Layer w10: J4.9@1582.16,4421.89 1582.16,4162.84 1635,4110 R21_IN5.1@1635,4025
IN6: J4.1 R21_IN6.1 | length 437.9
  Top Layer w10: J4.1@1636.69,4310.08 1636.69,4223.31 1700,4160 1815,4160 1855,4120 R21_IN6.1@1855,4030
"INTERRUP ETH": Due1.103
IO_D4: Due1.115 HD1.26 R43.2 | length 4700.2
  Top Layer w10: v1(705,3065) 2880,3065 2958.62,3143.62 3933.62,3143.62 4064.99,3274.99 4064.99,3307.75 Due1.115@4065,3405 ; R43.2@740,2070 745,2065 v1(815,2065)
  Bottom Layer w10: v1(705,3065) 705,2515 HD1.26@775,2445 774.34,2444.34 774.34,2105.66 v1(815,2065)
IO_D10: Due1.41 HD1.24 R44.2 | length 6215.1
  Top Layer w10: R44.2@735,1775 v1(875,1775) ; v1(830,2765) 1135,2765 1154.37,2784.37 2125.63,2784.37 2245,2665 3660.95,2665 3665.95,2660 v1(4610,2660) ; Due1.41@4200,3405 4213.62,3418.62 4213.62,3437.76 4220.86,3445 v1(4610,3445)
  Bottom Layer w10: v1(830,2765) 825,2760 825,2495 HD1.24@875,2445 v1(875,1775) ; v1(4610,2660) v1(4610,3445)
IO_D53: Due1.63 HD1.22 | length 1619.5
  Top Layer w10: HD1.22@975,2445 970,2440 970,2335 1000,2305 Due1.63@2465,2305
IO_D63: Due1.59 HD1.20 | length 1734.1
  Top Layer w10: v1(1070,2110) 2460,2110 Due1.59@2465,2105
  Bottom Layer w10: v1(1070,2110) 1070,2440 HD1.20@1075,2445
KILL: Ex2.10
LCD_4: EX1.5 R43.1 R46.1 | length 352.8
  Top Layer w10: EX1.5@390,2120 505,2120 v1(510,2115) ; v1(655,2030) 655,2010 R46.1@660,2005
  Bottom Layer w10: v1(510,2115) 610,2115 655,2070 v1(655,2030)
LCD_5: EX1.6
LCD_6: EX1.7
LCD_7: EX1.8
LCD_Beep: Due1.87 EX1.1 | length 4504
  Top Layer w10: EX1.1@390,1920 390,1850 384.14,1844.14 190.86,1844.14 140,1895 140,3525 310,3695 2275,3695 2350.12,3619.88 2350.12,3523.62 2368.74,3505 Due1.87@2465,3505
LCD_E: EX1.3 R44.1 R45.1 | length 507.8
  Top Layer w10: v1(610,1825) 613.35,1828.35 644.25,1828.35 R45.1@655,1839.09 ; R44.1@655,1775 R45.1@655,1839.09 ; R45.1@655,1845 R45.1@655,1839.09
  Bottom Layer w10: EX1.3@390,2020 550,2020 610,1960 610,1830 605,1825 v1(610,1825)
LIMITMAX1: 100nF.2@685,3315 Due1.80 R18_IN1.1 | length 2004.7
  Top Layer w10: 100nF.2@685,3315 689.15,3310.85 R18_IN1.1@754.79,3310.85 754.79,3250.21 861.38,3143.62 2530.12,3143.62 2565,3108.74 Due1.80@2565,3105
LIMITMAX2: 100nF.2@910,3315 Due1.82 R18_IN2.1 | length 1799.8
  Top Layer w10: 100nF.2@915,3310 100nF.2@910,3315 R18_IN2.1@975,3315 975,3220 1031.38,3163.62 2527.36,3163.62 2565,3201.26 Due1.82@2565,3205
LIMITMAX3: 100nF.2@1130,3320 Due1.86 R18_IN3.1 | length 1577.4
  Top Layer w10: 100nF.2@1130,3320 R18_IN3.1@1200,3320 ; v1(2055,3455) 2485,3455 2535,3405 Due1.86@2565,3405
  Bottom Layer w10: v1(1175,3325) 1998.11,3325 2055,3381.89 v1(2055,3455)
LIMITMIN1: 100nF.2@1370,3325 Due1.34 R18_IN4.1 | length 3381.8
  Top Layer w10: 100nF.2@1370,3325 1375,3320 R18_IN4.1@1440,3320 1440,3265 1460,3245 1510,3245 1540,3215 v1(1545,3215) ; v1(1545,2945) 4270.7,2945 4330.7,3005 Due1.34@4365,3005 ; Due1.34@4400,3000 Due1.34@4410,3010
  Bottom Layer w10: v1(1545,2945) v1(1545,3215)
LIMITMIN2: 100nF.2@1615,3330 Due1.81 R18_IN5.1 | length 939.9
  Top Layer w10: 100nF.2@1615,3330 1620,3325 R18_IN5.1@1680,3325 1680,3260 1735,3205 Due1.81@2465,3205
LIMITMIN3: 100nF.2@1840,3330 Due1.83 R18_IN6.1 | length 729.7
  Top Layer w10: 100nF.2@1840,3330 1905,3330 R18_IN6.1@1910,3325 1910,3270 1950,3230 2040,3230 2115,3305 Due1.83@2465,3305
M0: Ex2.6
M1: Ex2.1
MISO: Due1.14 EX3.9 HD1.10 USB1.3 | length 6504.3
  Top Layer w10: v1(1045,1815) 1045,765 1119.39,690.61 USB1.3@1230,690.61 ; EX3.9@1510,960 1510,920 1525,905 1770,905 1775,900 v1(1780,905) ; v1(3270,1965) 4291.49,1965 4331.88,2005.39 4364.61,2005.39 Due1.14@4365,2005
  Bottom Layer w10: v1(1045,1815) 1480,1815 1575,1910 HD1.10@1575,2445 ; USB1.3@1230,690.61 1230.61,690 1231.22,690.61 1445.61,690.61 1510,755 EX3.9@1510,960 ; v1(1780,905) 1780,960 1820,1000 2695,1000 3265,1570 3265,1960 v1(3270,1965)
MOSI: Due1.11 EX3.10 R45.2 USB1.2 | length 5565.4
  Top Layer w10: R45.2@735,1845 875,1845 990,1730 990,690 1089.39,590.61 USB1.2@1230,590.61 ; EX3.10@1610,960 1612.5,962.5 1842.5,962.5 v1(1845,965) ; v1(3340,1920) 4240,1920 4250,1910 4255,1915 Due1.11@4265,1905
  Bottom Layer w10: USB1.2@1230,590.61 1520.61,590.61 1610,680 EX3.10@1610,960 ; v1(1845,965) 2695,965 3340,1610 v1(3340,1920)
Net1_Driver1_G: 1_Driver1.G R30_Driver1.1 R36_Driver1.2 | length 136.9
  Bottom Layer w30: 1_Driver1.G@2406.04,4013.59 2407.89,4011.74 2407.89,3878.55 R36_Driver1.2@2408.64,3877.8
Net1_Driver2_G: 1_Driver2.G R30_Driver2.1 R36_Driver2.2 | length 136.9
  Bottom Layer w30: 1_Driver2.G@2797.4,4010.79 2797.4,3883.5 2800,3880.91 R36_Driver2.2@2800,3875
Net1_Driver3_G: 1_Driver3.G R30_Driver3.1 R36_Driver3.2 | length 136.9
  Bottom Layer w30: 1_Driver3.G@3197.4,4010.79 3199.25,4008.94 3199.25,3875.75 R36_Driver3.2@3200,3875
Net1_Driver4_G: 1_Driver4.G R30_Driver4.1 R36_Driver4.2 | length 138.9
  Bottom Layer w20: 1_Driver4.G@3582.4,4010.79 3582.4,3888.5 3590,3880.91 R36_Driver4.2@3590,3875
Net1_Driver5_G: 1_Driver5.G R30_Driver5.1 R36_Driver5.2 | length 137.9
  Bottom Layer w20: 1_Driver5.G@3990,4010.79 3992.5,4008.29 3992.5,3877.5 R36_Driver5.2@3995,3875
Net2_Driver1_G: 2_Driver1.G R31_Driver1.1 R37_Driver1.2 | length 136.9
  Bottom Layer w30: 2_Driver1.G@2667.4,4010.79 2669.25,4008.94 2669.25,3875.75 R37_Driver1.2@2670,3875
Net2_Driver2_G: 2_Driver2.G R31_Driver2.1 R37_Driver2.2 | length 138.9
  Bottom Layer w30: 2_Driver2.G@3062.4,4010.79 3062.4,3888.5 3070,3880.91 R37_Driver2.2@3070,3875
Net2_Driver3_G: 2_Driver3.G R31_Driver3.1 R37_Driver3.2 | length 136.9
  Bottom Layer w20: 2_Driver3.G@3457.4,4010.79 3458.7,4009.49 3458.7,3876.3 R37_Driver3.2@3460,3875
Net2_Driver4_G: 2_Driver4.G R31_Driver4.1 R37_Driver4.2 | length 136.9
  Bottom Layer w20: 2_Driver4.G@3852.4,4010.79 3853.7,4009.49 3853.7,3876.3 R37_Driver4.2@3855,3875
Net2_Driver5_G: 2_Driver5.G R31_Driver5.1 R37_Driver5.2 | length 136.9
  Bottom Layer w30: 2_Driver5.G@4257.4,4010.79 4257.4,3883.5 4260,3880.91 R37_Driver5.2@4260,3875